# Altium PCB MEGAphone.PcbDoc (part 5 of 5) (continued)
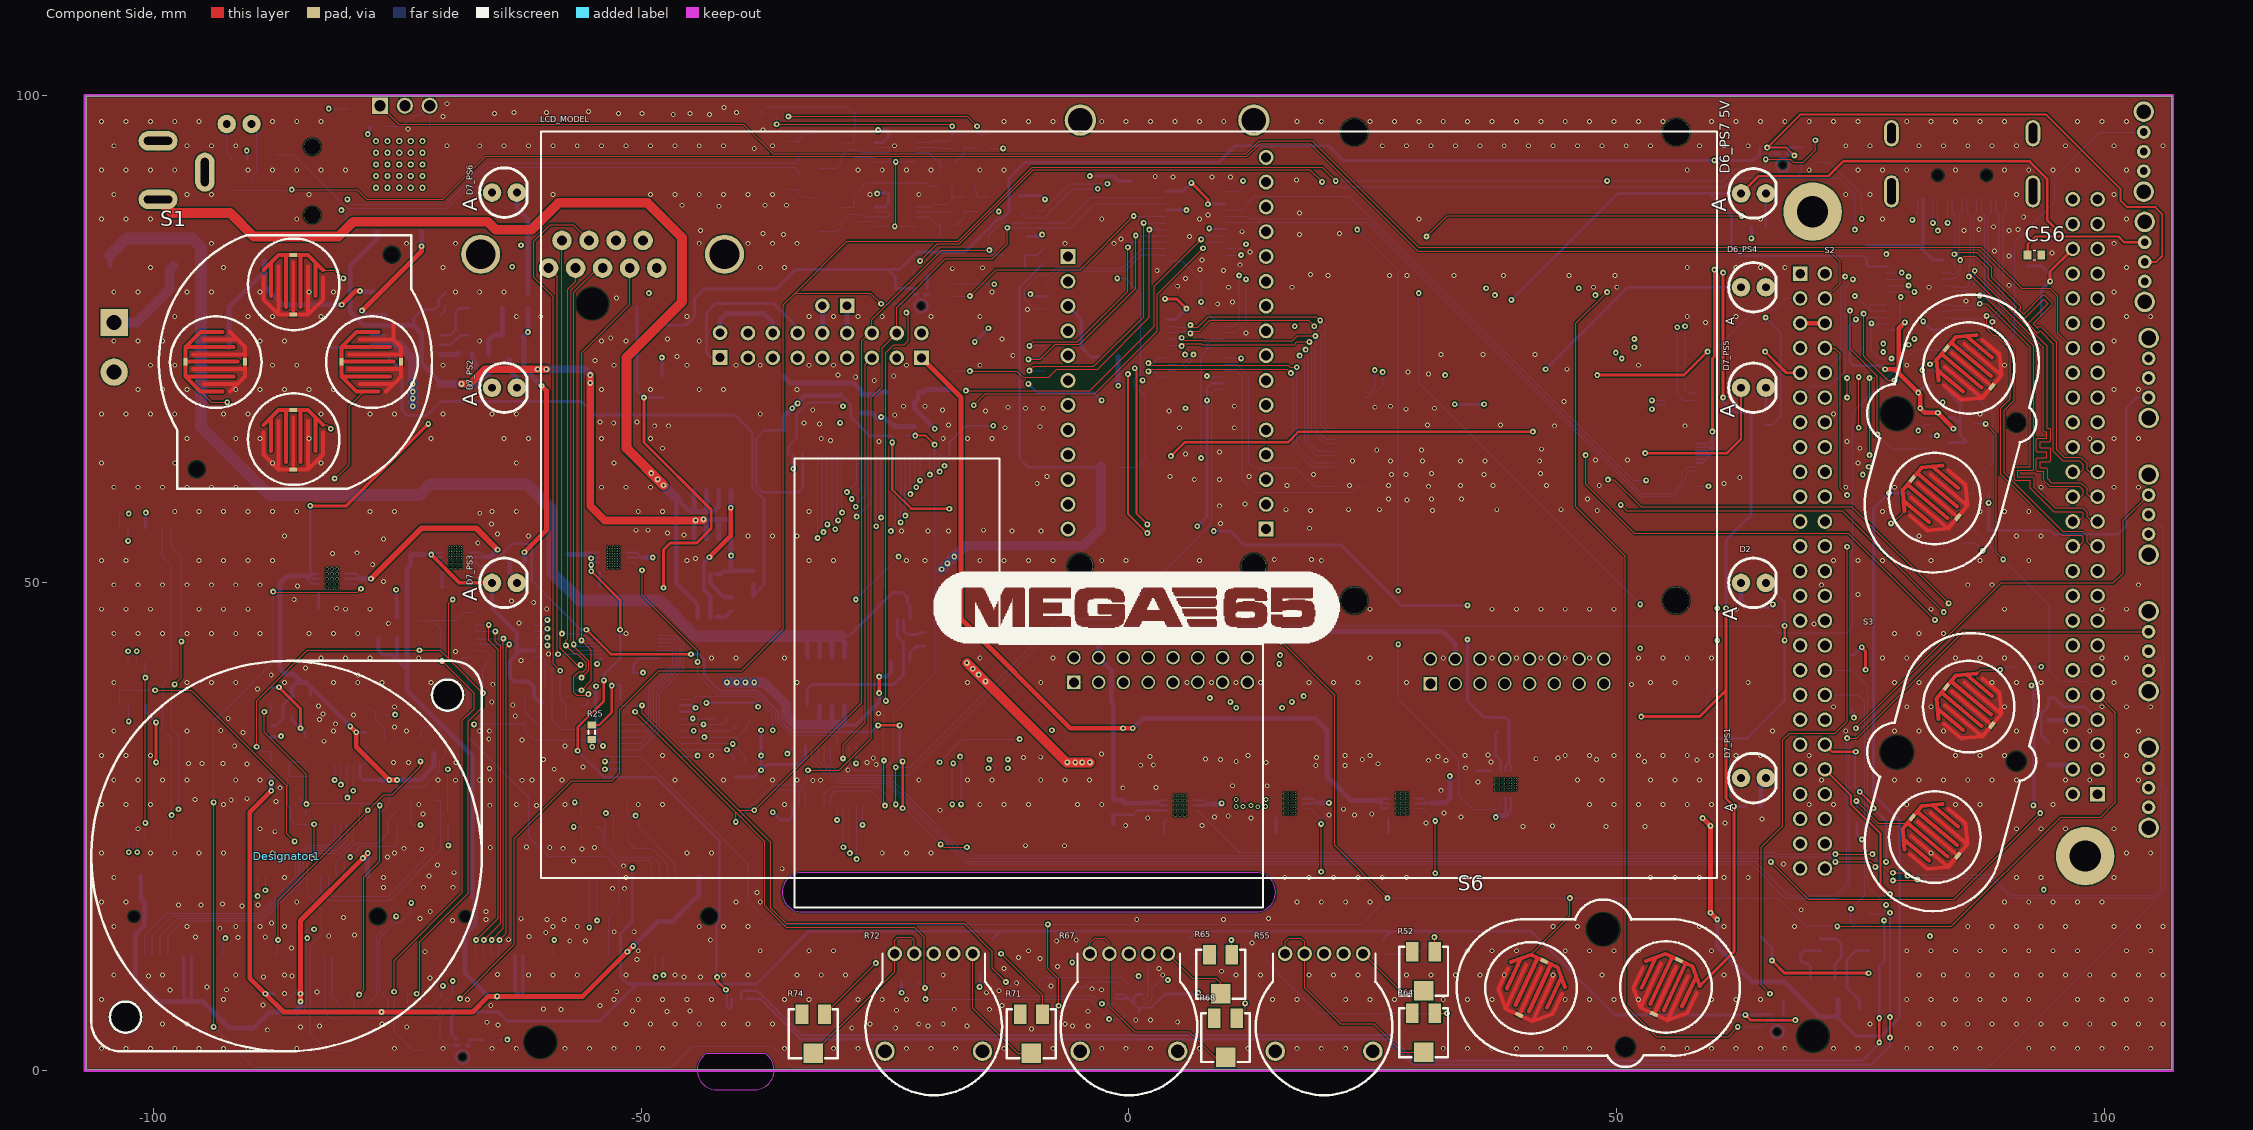
[diagram p0: Component Side view]
## Nets (pads, with @x,y where several pads share a name; then routed paths per layer and width w, separated by ;. In a path a pad name is that pad's centre, name@x,y a point inside that pad or via, vN(x,y) a via of type N, cw(c..) or ccw(c..) an arc to the next point about the centre after c; other vN are vias at no path point) (continued)
  Bottom Layer w0.25: R63.1@-8.8,82.7 -11.2,80.3 -11.2,62.718 -10.347,61.865 D11.1@-2.86,61.865 ; R44.1@88.1,59.21 R45.1@88.1,55.4 94.4,55.4 94.8,55 101.4,55 102.2,55.8 102.2,67.9 103.3,69 S4.3@104.5,69
  Bottom Layer w0.3: D8.1@72.687,5.4 74.531,3.556 77.1,3.556 79,5.456 79,25.6 76.3,28.3 76.3,57.6 v2(77.91,59.21) U20.14@79.975,59.21
  Bottom Layer w0.5: C44_PS3.1@-65.965,52.684 -65.416,52.684 v2(-64.7,53.4) ; C44_PS5.1@-49.8,52.6 v2(-48.8,52.6) ; C40_PS4.1@8.439,27.345 9.445,27.345 v2(9.5,27.4) ; C44_PS1.1@19.518,27.454 20.496,27.454 v2(20.5,27.459) ; C44_PS6.1@31.004,27.459 32.466,27.459 32.9,27.892 v2(32.9,30.2) ; v2(37.6,26) 37.776,26.176 38.703,26.176 ; v2(59.6,16.2) v2(60.3,15.5) 60.3,12.7 63.9,9.1 67.2,9.1 70.767,5.533 D8.1@72.687,5.533 ; D8.1@72.687,5.4 D8.1@72.687,5.533 ; D8.2@72.687,7.3 D8.1@72.687,5.533
  Bottom Layer w0.6: C44_PS2.1@-78.689,50.419 v2(-77.681,50.419)
  Bottom Layer w1: v2(-19.2,51.4) -16.8,53.8 -4.7,53.8 -2.86,55.64 D11.1@-2.86,61.865
  other v2: -5.5,31.6 -4.8,31.6 -16,41.2 -18.6,52
VCC_FPGA: C21.1 C24_FA.1 C24_FB.1 C28.1 C29.1 C30.1 C31.1 C46_PS1.1 C47_PS1.1 C48.1 C49.1 C52.2 C55.2 D7_PS1.A J1_M1.21 J1_M2.21 Q7.2 Q8.2 Q9.2 R8.1 R9.1 R10.1 R11.1 R12.1 R13.1 R14.1 R15.1 R25.2 R26.1 R27.1 R28.1 R29.1 R30.1 R31.1 R32.1 R33.1 R53.1 R54.1 R62.1 R78.2 R79.2 R80.1 R81.1 U9.5A U9.5B U9.6A U9.6B U9.45A U9.45B U9.46A U9.46B U10.2 U11_FA.10 U11_FB.10 U12.2 U12.3 U12.24 U13.3 U13.21 U13.24 U14.3 U14.24 U15.1 U15.20 U23_PS1.3 U23_PS1.4 U23_PS1.5 U24.1 U24.7 U24.8 U24.14 U27.24 U28.24 U31.1 | length 164.3
  Component Side w0.25: R25.2@-55.05,35.436 -54.285,35.436 -53,36.721 v2(-53,39.467)
  Component Side w0.3: v2(-99.7,31.6) v2(-99.7,35.7) ; v2(3.7,79.1) 4.905,79.1 v2(5.9,78.105) ; v2(6.4,91) 8.1,89.3 v2(8.1,88.8) ; v2(75.1,43.4) 75.5,43 v2(75.5,41.1) ; v2(94.4,80.9) 94.4,81.901 U9.46A@96.73,84.231
  Component Side w0.5: U9.5B@68.79,76.612 U9.6B@71.33,76.612 ; v2(77.5,71.9) 78.5,71.9 78.9,71.5 ; v2(79.53,76.7) 78.9,76.07 78.9,71.5 ; v2(84.5,65.8) 84.5,65.837 v2(82.9,67.437) 81.563,67.437 v2(81.1,67.9) 81.1,69.3 v2(80.9,69.5) 78.9,71.5
  Signal Layer 2 w0.3: v2(-63.2,82.4) -63.2,83.7 v2(-62.3,84.6)
  Signal Layer 2 w0.5: v2(-54.5,41.7) -54.222,41.7 -53.022,40.5 -53.022,39.489 v2(-53,39.467)
  Bottom Layer w0.25: v2(-54.5,41.7) -54.5,41.846 U15.1@-54.055,42.291 ; v2(-53,39.467) -52.97,39.497 C29.1@-52.135,39.497 -52.135,38.162 U12.24@-52.07,38.097 ; v2(-49.8,40.8) -49.833,40.767 C31.1@-50.735,40.767 -50.735,41.665 -50.109,42.291 U15.20@-48.255,42.291 ; U12.3@-45.97,36.797 -44.803,36.797 v2(-44.4,37.2) -44.647,37.447 U12.2@-45.97,37.447 ; v2(-43.3,37.7) -43.293,37.707 R26.1@-42.278,37.707 R27.1@-41.148,37.707 R28.1@-40.005,37.707 R29.1@-38.862,37.707 -38.207,37.707 -38,37.5 v2(-38,37.3)
  Bottom Layer w0.254: U24.7@-1.346,7.366 0,7.366 0.017,7.383 ; U24.8@-1.346,7.866 -0.466,7.866 0.017,7.383 ; U24.1@1,6.02 1,6.185 1.3,6.485 ; U24.14@1.346,7.866 0.866,7.866 0.5,7.5 0.5,6.9 ; C48.1@3.685,7.885 2.285,6.485 1.3,6.485 ; 0.017,7.383 0.5,6.9 ; 0.5,6.9 0.915,6.485 1.3,6.485
  Bottom Layer w0.3: J1_M2.21@-100.804,55.617 -100.804,57.14 v2(-100.744,57.2) ; J1_M1.21@-100.744,37.442 -100.744,36.744 v2(-99.7,35.7) ; v2(-90.4,94.3) -90.391,94.291 R15.1@-90.391,93.428 ; v2(-78,96) -77.844,96.155 -77.844,96.706 R62.1@-77.75,96.8 ; R31.1@-40.444,30.123 R30.1@-39.301,30.123 -38.377,30.123 v2(-37.7,30.8) ; v2(-37.7,34.9) v2(-37.7,32.3) v2(-37.7,30.8) ; v2(-36.5,26.5) -35.7,25.7 -34.8,25.7 -34.455,26.045 U14.24@-34.455,27.178 ; U14.3@-33.155,33.278 -33.155,32.045 -33.831,31.369 C30.1@-36.068,31.369 -37.131,31.369 v2(-37.7,30.8) ; U11_FA.10@-26.045,88.538 -25.007,88.538 -24.645,88.9 C24_FA.1@-24.645,89.951 -25.749,89.951 v2(-25.8,89.9) ; U11_FB.10@-26.045,95.142 -25.203,95.142 -24.645,95.7 C24_FB.1@-24.645,96.428 -25.672,96.428 v2(-25.7,96.4) ; v2(-23.3,8) R53.1@-23.3,9.1 ; v2(-15.3,8.6) -15.248,8.652 R54.1@-15.248,9.9 ; R80.1@-11.2,89.6 -11.1,89.7 R81.1@-9.5,89.7 -9,89.7 v2(-8.6,89.3) ; U31.1@-10.45,85.506 -9.094,85.506 v2(-8.9,85.7) ; v2(-10.1,79.6) -9.875,79.375 U10.2@-8.5,79.375 ; C48.1@3.685,7.885 C48.1@3.81,7.885 C49.1@6.096,7.885 6.985,7.885 v2(7.1,8) ; U13.21@3.8,88.2 v2(5.9,88.2) ; U13.24@3.8,90.15 5.55,90.15 v2(6.4,91) ; U28.24@3.93,76.975 4.775,76.975 5.9,78.1 v2(5.9,78.105) ; v2(8.1,88.8) 8.15,88.85 U13.3@9.9,88.85 ; C47_PS1.1@11.869,27.684 C47_PS1.1@11.893,27.708 ; R14.1@64.758,47.498 65.698,47.498 v2(66,47.8) ; R13.1@74.041,36.969 74.3,36.71 v2(74.3,36.2) ; R12.1@74.041,42.599 74.299,42.599 v2(75.1,43.4) ; v2(74.5,77) 73.9,76.4 73.9,72.6 74.25,72.25 R79.2@74.925,72.25 R78.2@76.125,72.25 77.15,72.25 v2(77.5,71.9) ; R33.1@74.6,25.45 74.6,24.2 v2(75.1,23.7) ; v2(80.9,69.5) 81.585,70.185 Q9.2@82.108,70.185 ; v2(81.1,67.9) 81.421,67.579 Q7.2@82.108,67.579 82.758,67.579 v2(82.9,67.437) ; v2(81.4,76.8) 82.275,75.925 U27.24@83.37,75.925 ; Q8.2@82.108,65.039 82.739,65.039 v2(82.8,65.1) ; C55.2@92.1,82.475 93.525,82.475 94.4,81.6 v2(94.4,80.9) C52.2@93.5,80 C28.1@93.5,78.775 C21.1@93.5,77.475 ; v2(92.5,39.5) 92.75,39.25 R9.1@92.75,38.224 R10.1@92.75,35.924 R8.1@92.75,33.624 R11.1@92.75,31.324 92.75,27.25 v2(92.7,27.2) ; R32.1@92.75,41.4 v2(93.5,41.4)
  other v1: 13.202,27.054 11,27.1 11.7,27.1 14,27.1 12.5,27.2 11,27.8 14.038,27.802
VCC_LORA: C42_PS4.1 C43_PS4.1 D6_PS4.A R47_PS4.1 RF1.4 RF2.4 U22_PS4.4 U22_PS4.5 | length 123.1
  Signal Layer 1 w0.3: v2(33.4,68.3) 33.44,68.26 RF2.4@33.44,42.2 ; v2(36.4,68.3) 39.1,68.3 v2(42.7,71.9)
  Bottom Layer w0.24: U22_PS4.4@3.835,27.2 3.154,27.2 2.889,27.465 3.124,27.7 U22_PS4.5@3.835,27.7
  Bottom Layer w0.3: v2(33.4,68.3) v2(36.4,68.3) ; v2(42.7,71.9) 51.1,80.3 D6_PS4.A@62.73,80.3
  Bottom Layer w0.5: 2.889,27.465 C42_PS4.1@1.795,27.465 1.752,27.422 C43_PS4.1@0.5,27.422 -0.4,27.422 -0.71,27.732 R47_PS4.1@-1.6,27.732 -1.6,37.7 -1.8,37.9 -1.8,41.04 RF1.4@-3.1,42.34 -3.1,44 -2.1,45 32.2,45 33.44,43.76 RF2.4@33.44,42.2
VCC_MIC: C14.1 C32.1 C33.1 C34.1 C35.1 CM1.77 CM1.79 CM1.81 CM1.83 CM1.85 CM1.87 R51.1 R56.1 R70.1 S8.2 U5.1 U5.8 U16.2 U16.5 U17.5 U18.2 U18.5 U19.5 | length 473.7
  Component Side w0.2: v2(68.2,93.8) 67.385,94.615 v2(65.4,94.615) 68.785,98 94,98 101.6,90.4 101.6,89.2 102.3,88.5 105.2,88.5 105.9,87.8 105.9,83.5 105.3,82.9 S8.2@104.1,82.9
  Component Side w0.254: v2(63.178,5.722) 63.7,5.2 v2(68.3,5.2)
  Component Side w0.3: v2(-49.7,69) -49.7,64.4 -42.8,57.5 -42.8,55.6 -44.3,54.1 -47,54.1 -47.7,53.4 v2(-47.7,49.5) ; v2(59.8,65.5) 59.8,73 60,73.2 v2(60,82.1)
  Signal Layer 1 w0.3: v2(-54.6,39.4) -54.6,40.4 -47.7,47.3 v2(-47.7,49.5) ; v2(-53.9,33.3) -54.7,32.5 -54.7,30.7 -53.8,29.8 -51.6,29.8 -49.3,27.5 -49.3,22.4 v2(-50.9,20.8) ; v2(60,82.1) v2(60,93.3)
  Bottom Layer w0.2: CM1.87@58.1,62.3 58.8,62.3 59.2,62.7 ; CM1.85@58.1,62.7 59.2,62.7 ; CM1.83@58.1,63.1 59.6,63.1 ; CM1.81@58.1,63.5 59.3,63.5 59.7,63.9 ; CM1.79@58.1,63.9 59.7,63.9 ; CM1.77@58.1,64.3 59.3,64.3 59.8,64.8 ; 59.8,63.3 59.6,63.1 ; 59.8,64 59.7,63.9 ; U18.2@67.821,94.019 67.981,94.019 v2(68.2,93.8) ; 59.2,62.7 59.6,63.1
  Bottom Layer w0.254: C32.1@64.191,5.778 U16.5@65.816,5.778 ; U16.2@67.251,5.182 68.282,5.182 v2(68.3,5.2)
  Bottom Layer w0.3: U17.5@-68.9,3.196 -69.417,3.713 C33.1@-69.417,4.826 -69.417,5.508 -68.9,6.025 -64.625,6.025 -63.7,5.1 -54.2,5.1 -50.4,8.9 ; v2(-54.6,39.4) -54.6,34 v2(-53.9,33.3) ; v2(-50.9,20.8) -50.9,15.3 -52.1,14.1 -52.1,9.6 -51.4,8.9 -50.4,8.9 ; U5.1@-50.399,78.304 -50.399,74.2 ; C14.1@-47.7,69 v2(-49.7,69) -50.399,69.699 U5.8@-50.399,71.204 -50.399,74.2 ; U19.5@-21.913,80.17 -23.891,80.17 C35.1@-23.917,80.144 -23.917,81.317 -24.7,82.1 ; R70.1@-13.97,13.5 -13.17,14.3 ; R56.1@6.2,13.5 7,14.3 ; R51.1@26.1,13.5 26.9,14.3 ; 59.8,63.3 59.8,64 59.8,64.8 v2(59.8,65.5) ; C32.1@64.191,5.778 C32.1@64.135,5.722 v2(63.178,5.722) 49.778,5.722 41.2,14.3 26.9,14.3 ; C34.1@64.65,94.6 64.65,93.95 64,93.3 v2(60,93.3) 22,93.3 20.5,94.8 10.9,94.8 9.2,93.1 -10.7,93.1 -12.3,91.5 -12.3,88 -13,87.3 -13.415,87.3 -16.815,83.9 -21.7,83.9 -23.5,82.1 -24.7,82.1 ; v2(65.4,94.615) U18.5@66.386,94.615 ; -50.4,8.9 -38.172,8.9 -32.772,14.3 -13.17,14.3 ; -50.399,74.2 -48.199,76.4 -45.4,76.4 -44.5,77.3 -44.5,79.2 -43.6,80.1 -36.2,80.1 -34.2,82.1 -24.7,82.1 ; -13.17,14.3 7,14.3 ; 7,14.3 26.9,14.3
VCC_MODEM_M1: C1_M1.1 C4_M1.1 C9_M1.1 C11_M1.1 C46_PS2.1 C47_PS2.1 D7_PS2.A Q1_M1.2 U1_M1.2 U1_M1.39 U1_M1.41 U1_M1.52 U2_M1.15 U3_M1.1 U3_M1.3 U4_M1.15 U23_PS2.3 U23_PS2.4 U23_PS2.5 W2_M1.1 | length 156.5
  Component Side w0.3: v3(-83.9,57.9) -80.2,57.9 v3(-71.8,66.3)
  Component Side w0.5: v2(-84.9,7.1) v2(-84.9,7.9) -84.9,15.4 v2(-78.5,21.8) v2(-78,22.3) ; v2(-79.8,35.3) v2(-79.186,34.686) -79.186,33.186 v2(-75.8,29.8) v2(-75,29.8)
  Signal Layer 1 w0.3: v3(-71.8,66.3) -68.97,66.3 D7_PS2.A@-65.27,70
  Signal Layer 1 w0.5: v2(-78.5,21.8) v2(-78,22.3) -75.8,24.5 v2(-75.8,29.8) v2(-75,29.8)
  Bottom Layer w0.24: -84.447,50.735 -84.447,50.647 -83.719,49.919 U23_PS2.3@-83.061,49.919 ; -83.951,50.735 -83.9,50.735 -83.774,50.735 -83.591,50.919 U23_PS2.5@-83.061,50.919 ; -83.9,50.684 -83.635,50.419 U23_PS2.4@-83.061,50.419
  Bottom Layer w0.3: U1_M1.41@-96.874,11.778 -96.874,7.574 C1_M1.1@-96.4,7.1 -96.074,7.426 U1_M1.39@-96.074,11.778 ; W2_M1.1@-87.874,35.38 -87.42,35.38 -86.7,36.1 -86.7,37.497 U3_M1.1@-85.784,38.413 ; C46_PS2.1@-84.967,50.711 C46_PS2.1@-84.943,50.735 ; -83.9,50.684 -83.9,50.735 v3(-83.9,57.9) ; U3_M1.3@-83.884,38.413 -83.884,39.344 -83.844,39.344 ; v2(-79.186,34.686) Q1_M1.2@-78.166,34.686 ; U4_M1.15@-78.807,31.369 -78.807,30.107 -78.48,29.78 C11_M1.1@-76.835,29.78 C11_M1.1@-76.815,29.8 ; v2@-78.024,22.276 v2(-78,22.3) ; -72.675,29.8 -72.655,29.78 ; C4_M1.1@-71.3,32.6 C4_M1.1@-71.235,32.535
  Bottom Layer w0.5: U1_M1.52@-101.274,19.978 -101.274,17.674 -100.9,17.3 -100.9,14.9 -101.8,14 -101.8,9.4 -99.5,7.1 C1_M1.1@-96.4,7.1 -94.925,7.1 -92.225,4.4 -89.7,4.4 -88.075,6.025 U2_M1.15@-86.85,6.025 -85.518,6.025 -84.9,6.643 v2(-84.9,7.1) v2@-84.9,7.7 ; U3_M1.1@-85.784,38.413 -85.784,39.316 -85.3,39.8 -84.747,39.8 ; C46_PS2.1@-84.967,50.711 C47_PS2.1@-86.275,50.711 -87,49.986 -87,41.2 -86.451,40.651 C9_M1.1@-85.598,40.651 -84.747,39.8 ; C46_PS2.1@-84.943,50.735 -84.447,50.735 -83.951,50.735 ; -83.884,39.344 -84.34,39.8 -84.747,39.8 ; -83.844,39.344 v2(-79.186,34.686) ; U1_M1.2@-78.024,19.978 v2@-78.024,22.276 ; C11_M1.1@-76.815,29.8 v2(-75.8,29.8) -72.675,29.8 ; -72.655,29.78 -71.235,31.2 C4_M1.1@-71.235,32.535
VCC_MODEM_M2: C1_M2.1 C4_M2.1 C9_M2.1 C11_M2.1 C46_PS3.1 C47_PS3.1 D7_PS3.A Q1_M2.2 U1_M2.2 U1_M2.39 U1_M2.41 U1_M2.52 U2_M2.15 U3_M2.1 U3_M2.3 U4_M2.15 U23_PS3.3 U23_PS3.4 U23_PS3.5 W2_M2.1 | length 179.5
  Component Side w0.381: v2(-71.5,52.9) -68.6,50 D7_PS3.A@-65.27,50
  Component Side w0.5: v2(-87.9,28.7) -90.1,26.5 -90.1,9.5 v2(-88.5,7.9) -86.625,6.025 v2(-76.6,6.025) -67.241,6.025 -65.646,7.62 v2(-64.746,7.62) -55.98,7.62 v2(-50.8,12.8)
  Bottom Layer w0.24: U23_PS3.3@-70.4,52.122 -70.722,52.122 v2(-71.5,52.9) ; U23_PS3.4@-70.4,52.622 -71.222,52.622 v2(-71.5,52.9) ; U23_PS3.5@-70.4,53.122 -71.278,53.122 v2(-71.5,52.9)
  Bottom Layer w0.381: v2(-88.5,7.9) C4_M2.1@-87.7,7.9 ; U2_M2.15@-78.15,6.025 v2(-76.6,6.025) ; U3_M2.3@-76.906,44.319 -76.906,43.091 -76.48,42.665 C9_M2.1@-75.963,42.665 -75.565,42.665 -75.006,42.106 ; U3_M2.1@-75.006,44.319 -75.006,42.106 ; -74,41.1 -75.006,42.106 ; C47_PS3.1@-73.614,52.914 C47_PS3.1@-73.595,52.895 ; C46_PS3.1@-72.306,52.914 C46_PS3.1@-72.282,52.938 v2@-71.5,52.938 ; D7_PS3.A@-65.27,50 -65.27,47.432 -62.7,44.862 -62.7,42.7 ; U1_M2.41@-62.926,11.778 -62.926,8.254 C1_M2.1@-62.292,7.62 -62.126,7.786 U1_M2.39@-62.126,11.778 ; U4_M2.15@-60.958,43.079 -62.321,43.079 -62.7,42.7 ; Q1_M2.2@-60.008,37.704 -60.304,37.704 -60.958,38.358 -60.958,39.358 -61.5,39.9 -63,39.9 -63.438,40.338 C11_M2.1@-63.438,41.021 -63.438,41.962 -62.7,42.7
  Bottom Layer w0.5: v2(-87.9,28.7) v2(-87.9,29.5) -87.9,30.104 W2_M2.1@-87.874,30.13 ; C47_PS3.1@-73.614,52.914 C46_PS3.1@-72.306,52.914 ; C47_PS3.1@-73.595,52.895 -73.595,51.881 -74,51.476 -74,41.1 -74,39 -67.326,32.326 U1_M2.52@-67.326,19.978 -67.326,17.9 -67,17.574 -67,15 -68.026,13.974 -68.026,10 -65.646,7.62 v2(-64.746,7.62) C1_M2.1@-62.292,7.62 ; v2(-51.4,12.2) -48.3,15.3 -46.8,15.3 -44.076,18.024 U1_M2.2@-44.076,19.978
VCC_Screen: C38.1 C46_PS5.1 C47_PS5.1 D7_PS5.A L1.1 P3.4 P3.5 R76.1 U21.5 U23_PS5.3 U23_PS5.4 U23_PS5.5 U26.4 | length 231.4
  Component Side w0.25: v3(-56.5,32.8) -56.5,35.2 -53.8,37.9 v3(-53.8,40) ; v2(-55.1,51.2) -52.142,48.242 v3(-52.142,45.2) ; v2(-42.2,9.6) -42.2,9.2 v2(-41.3,8.3) ; v2(-24.25,64.4) -24.25,59.55 -22.3,57.6 v2(-18.4,57.6) ; v2(4.3,63) 5.7,64.4 16.3,64.4 17.4,65.5 v2(41.4,65.5) ; v2(52.9,63.3) 61.3,63.3 62.73,64.73 D7_PS5.A@62.73,70
  Signal Layer 1 w0.25: v2(-18.4,57.6) -16.6,59.4 0.7,59.4 v2(4.3,63) ; v2(41.4,65.5) 47.2,65.5 49.4,63.3 v2(52.9,63.3)
  Signal Layer 1 w0.5: v2(-55.1,51.2) v2(-55.1,51.85) -55.1,52.5 v2(-55.119,52.519) -55.119,52.582 -53.101,54.6 -49.1,54.6 -36.6,67.1 -35.3,67.1 v2@-33.98,68.42
  Bottom Layer w0.2: C46_PS5.1@-56.114,52.916 -55.93,53.1 U23_PS5.5@-54.232,53.1 ; v2(-55.119,52.519) -55.038,52.6 U23_PS5.4@-54.232,52.6 ; v2(-55.1,51.85) -54.85,52.1 U23_PS5.3@-54.232,52.1
  Bottom Layer w0.25: v3(-56.5,32.8) -53.8,30.1 -48.5,30.1 -41.974,23.574 -41.974,15.381 -42.278,15.077 -42.278,9.678 v2(-42.2,9.6) ; v3(-53.8,40) -53.8,40.6 -52.142,42.258 v3(-52.142,45.2) ; v2(-41.3,8.3) -41.211,8.211 P3.5@-41.211,7.366 -41.211,6.611 -41,6.4 -40.876,6.4 -40.711,6.565 P3.4@-40.711,7.366 ; L1.1@-35.4,65.658 -37.342,65.658 -38.198,64.802 -38.198,59.967 -37.531,59.3 -33.907,59.3 -33.407,59.8 U26.4@-33.407,63.118 ; U21.5@-29.575,69.297 -28.5,68.222 -28.5,67 -26.6,65.1 R76.1@-24.25,65.1 v2(-24.25,64.4)
  Bottom Layer w0.5: C47_PS5.1@-57.446,52.892 -55.492,52.892 v2(-55.119,52.519) -55.1,52.5 v2(-55.1,51.85) v2(-55.1,51.2) ; L1.1@-35.4,65.658 -35.4,67 -33.227,69.173 C38.1@-31.353,69.173 -29.699,69.173 U21.5@-29.575,69.297
  other v2: -34.5,67.9 -33.96,68.4
VCC_WIFI_BT: C46_PS6.1 C47_PS6.1 D7_PS6.A ESP1.1 U23_PS6.3 U23_PS6.4 U23_PS6.5 | length 147.5
  Component Side w0.5: ESP1.1@-21.26,73.06 -17.2,69 -17.2,46.3 -6,35.1 v2(0.4,35.1)
  Signal Layer 1 w0.5: D7_PS6.A@-65.27,90 -63.07,87.8 -23.1,87.8 -19.2,83.9 -19.2,74.6 -20.74,73.06 ESP1.1@-21.26,73.06
  Bottom Layer w0.24: U23_PS6.3@26.569,26.897 26.003,26.897 25.8,27.1 25.8,27.708 ; U23_PS6.4@26.569,27.397 26.112,27.397 25.8,27.708 ; U23_PS6.5@26.569,27.897 25.988,27.897 25.8,27.708
  Bottom Layer w0.25: C46_PS6.1@24.688,27.713 C46_PS6.1@24.692,27.708
  Bottom Layer w0.5: v2(-0.6,35.1) v2(0.4,35.1) 1.4,36.1 19.1,36.1 20.3,34.9 20.3,30.2 22.812,27.688 C47_PS6.1@23.355,27.688 24.663,27.688 C46_PS6.1@24.688,27.713 ; C46_PS6.1@24.692,27.708 25.8,27.708
Vi: C18.1 C19.1 C57.2 D12.2 M3.3 Q4.5 Q4.6 Q4.7 Q4.8 R57.2 R58.2 U7.9 U32.8 | length 147.8
  Component Side w0.8: v3(-68.4,70.4) v3(-67.5,70.4) -66,71.9 v3(-59.7,71.9) ; v3(-55.2,71.3) -55.2,57.877 -53.723,56.4 v3@-43.6,56.4
  Signal Layer 1 w0.5: v2(-40.767,52.8) -40.067,53.5 -24,53.5 -15.6,61.9 -4.98,61.9 -1.1,65.78 v2(-1.1,70.2)
  Bottom Layer w0.25: -73.3,76.4 -73.3,77.1 -72.4,78 -71.2,78 -70.8,78.4 -70.8,79 C57.2@-70,79.8
  Bottom Layer w0.45: U32.8@-42.246,50.882 -41.865,50.882 -41.563,51.184 C19.1@-40.767,51.184
  Bottom Layer w0.5: M3.3@-77.072,86 -77.072,85.228 -79.8,82.5 -79.8,77.8 -78.4,76.4 U7.9@-76.182,76.4 -73.3,76.4 -72.5,75.6 -72.5,72.5 -70.735,70.735 C18.1@-70.735,70.3 C18.1@-70.635,70.4 ; R58.2@-65.627,71.673 R58.2@-65.627,72.011 ; Q4.8@-44.577,54.483 -44.577,56.223 v3(-44.4,56.4) -44.3,56.5 v3@-43.4,56.5 ; Q4.7@-43.307,54.483 -43.307,56.407 v3@-43.4,56.5 ; Q4.6@-42.037,54.483 -42,54.52 -42,56.5 ; R57.2@-38.5,51.247 -40.704,51.247 C19.1@-40.767,51.184 v2(-40.767,52.8) Q4.5@-40.767,54.483 -40.767,56.267 -41,56.5 -42,56.5 ; v2(-1.1,70.2) -1.1,73.155 D12.2@-1.06,73.195 ; v3@-43.4,56.5 -42,56.5
  Bottom Layer w0.8: C18.1@-70.635,70.4 v3(-68.4,70.4) -66.9,70.4 -66.747,70.553 -66.747,70.612 -65.882,71.477 -65.823,71.477 R58.2@-65.627,71.673 ; v3(-60.6,71.9) -55.8,71.9 v3(-55.2,71.3) v3(-55.2,70.5)
  other v3: -43.6,56.5
pads on no net: "U22_PS7 5V.14" CM1.0 CM1.3 CM1.4 CM1.5 CM1.6 CM1.9 CM1.10 CM1.11 CM1.12 CM1.15 CM1.16 CM1.17 CM1.18 CM1.19 CM1.20 CM1.21 CM1.24 CM1.25 CM1.26 CM1.27 CM1.28 CM1.29 CM1.30 CM1.31 CM1.34 CM1.35 CM1.36 CM1.37 CM1.38 CM1.39 CM1.40 CM1.41 CM1.44 CM1.45 CM1.46 CM1.47 CM1.48 CM1.49 CM1.50 CM1.54 CM1.57 CM1.61 CM1.62 CM1.63 CM1.64 CM1.67 CM1.68 CM1.69 CM1.70 CM1.72 CM1.73 CM1.75 CM1.76 CM1.78 CM1.80 CM1.82 CM1.84 CM1.86 CM1.88 CM1.90 CM1.92 CM1.93 CM1.94 CM1.95 CM1.96 CM1.97 CM1.100 CM1.101 CM1.102 CM1.103 CM1.104 CM1.105 CM1.106 CM1.109 CM1.110 CM1.111 CM1.112 CM1.115 CM1.116 CM1.117 CM1.118 CM1.121 CM1.122 CM1.123 CM1.124 CM1.127 CM1.128 CM1.129 CM1.130 CM1.133 CM1.134 CM1.135 CM1.136 CM1.139 CM1.140 CM1.141 CM1.142 CM1.143 CM1.145 CM1.146 CM1.147 CM1.148 CM1.149 CM1.152 CM1.154 CM1.157 CM1.158 CM1.159 CM1.160 CM1.163 CM1.164 CM1.165 CM1.166 CM1.169 CM1.171 CM1.175 CM1.177 CM1.181 CM1.183 CM1.187 CM1.189 CM1.193 CM1.194 CM1.195 CM1.196 D9.K D10.K D11.K D12.K Designator1.1 J1_M1.2 J1_M1.6 J1_M1.12 J1_M1.22 J1_M2.2 J1_M2.6 J1_M2.12 J1_M2.22 J2.0 J2.5 J3. J3.5 J3.9 J4.14 J4.H5 J4.H6 P1.2 P3.0 P3.3 R52.CCW R55.0 R55.2B R64.CCW R65.CCW R67.0 R67.2B R68.CCW R71.CCW R72.0 R72.2B R74.CCW RF1.3 RF1.5 RF1.6 RF1.8 RF1.10 RF1.11 RF1.12 RF1.13 RF1.14 RF1.15 RF2.3 RF2.5 RF2.6 RF2.8 RF2.10 RF2.11 RF2.12 RF2.13 RF2.14 RF2.15 S1.0 S2. S2.27 S3. S3.27 S4.15 S5.15 S6. S6.27 S7.15 S8.3 S8.15 S9.15 S10.15 U1_M1. U1_M1.1 U1_M1.3 U1_M1.5 U1_M1.6 U1_M1.7 U1_M1.16 U1_M1.19 U1_M1.21 U1_M1.24 U1_M1.25 U1_M1.28 U1_M1.30 U1_M1.32 U1_M1.33 U1_M1.36 U1_M1.38 U1_M1.42 U1_M1.44 U1_M1.46 U1_M1.48 U1_M1.S1 U1_M1.S2 U1_M1.S3 U1_M1.S4 U1_M2. U1_M2.1 U1_M2.3 U1_M2.5 U1_M2.6 U1_M2.7 U1_M2.16 U1_M2.19 U1_M2.21 U1_M2.24 U1_M2.25 U1_M2.28 U1_M2.30 U1_M2.32 U1_M2.33 U1_M2.36 U1_M2.38 U1_M2.42 U1_M2.44 U1_M2.46 U1_M2.48 U1_M2.S1 U1_M2.S2 U1_M2.S3 U1_M2.S4 U2_M1.4 U2_M1.5 U2_M1.6 U2_M1.7 U2_M1.10 U2_M1.11 U2_M1.12 U2_M1.13 U2_M2.4 U2_M2.5 U2_M2.6 U2_M2.7 U2_M2.10 U2_M2.11 U2_M2.12 U2_M2.13 U3_M1.4 U3_M2.4 U4_M1.7 U4_M1.10 U4_M2.7 U4_M2.10 U5.7 U8.3 U8.5 U9.0 U9.14A U9.16A U9.17A U9.18A U9.19A U9.20A U9.37A U9.48B U10.4 U10.5 U10.10 U10.11 U10.12 U10.13 U10.14 U14.20 U15.7 U15.8 U15.9 U15.11 U15.12 U15.13 U16.0 U17.0 U18.0 U19.0 U20.2 U20.6 U20.8 U20.9 U20.10 U20.11 U20.12 U20.13 U22_PS4.14 U23_PS1.14 U23_PS2.14 U23_PS3.14 U23_PS5.14 U23_PS6.14 U25.7 U26.S1 U26.S2 U28.13 U29. U29.P1_15 U29.P1_16 U29.P2_2 U29.P2_10 U29.P2_11 U29.P2_12 U29.P$1 U29.P$2 U32.3 U32.5
copper on no net:
  other v3: 93.762,18.564

## Polygon pours and split planes (outlines as drawn)
GND on Signal Layer 2 "GND_L03_P036" (solid, remove dead copper, pour order 36): -107,99.998 107,99.998 107,0.006 -106.997,0.006 -107,0.003
GND on Component Side "GND_L01_P034" (solid, remove dead copper, pour order 34): -107,99.995 107,99.995 107,0.003 -106.997,0.003 -107,0
GND on Bottom Layer "GND_L04_P040" (solid, remove dead copper, pour order 40): -107,99.995 107,99.995 107,0.003 -106.997,0.003 -107,0
NetL3_PS3_2 on Bottom Layer "NETL3_PS3_2_L04_P006" (solid, pour order 6): -70.735,53.4 -70.735,59.2 -69.135,59.2 -69.135,55.7 -69.935,54.9 -69.935,53.4
NetL3_PS3_1 on Bottom Layer "NETL3_PS3_1_L04_P018" (solid, pour order 18): -68.7,59.2 -67.3,59.2 -67.3,53.4 -68.1,53.4 -68.1,54.9 -68.7,55.5
"NetL2_PS7 5V_1" on Bottom Layer "NETL2_PS7_5V_1_L04_P028" (solid, pour order 28): 45.2,29 45.2,27.6 39.4,27.6 39.4,28.4 40.9,28.4 41.5,29
NetL3_PS6_1 on Bottom Layer "NETL3_PS6_1_L04_P026" (solid, pour order 26): 28.3,34 29.7,34 29.7,28.2 28.9,28.2 28.9,29.7 28.3,30.3
NetL3_PS1_1 on Bottom Layer "NETL3_PS1_1_L04_P024" (solid, pour order 24): 16.9,34.1 18.3,34.1 18.3,28.3 17.5,28.3 17.5,29.8 16.9,30.4
NetL2_PS4_1 on Bottom Layer "NETL2_PS4_1_L04_P022" (solid, pour order 22): 5.3,33.8 7,33.8 7,28 6.2,28 6.2,29.5 5.3,30.4
NetL3_PS5_1 on Bottom Layer "NETL3_PS5_1_L04_P020" (solid, pour order 20): -52.5,59.2 -51.1,59.2 -51.1,53.4 -51.9,53.4 -51.9,54.9 -52.5,55.5
"NetL2_PS7 5V_2" on Bottom Layer "NETL2_PS7_5V_2_L04_P016" (solid, pour order 16): 39.4,31.1 45.2,31.1 45.2,29.5 41.7,29.5 40.9,30.3 39.4,30.3
NetL3_PS6_2 on Bottom Layer "NETL3_PS6_2_L04_P014" (solid, pour order 14): 26.1,28.216 26.1,34.016 27.7,34.016 27.7,30.516 26.9,29.716 26.9,28.216
NetL3_PS1_2 on Bottom Layer "NETL3_PS1_2_L04_P012" (solid, pour order 12): 14.691,28.2 14.691,34 16.291,34 16.291,30.5 15.491,29.7 15.491,28.2
NetL2_PS4_2 on Bottom Layer "NETL2_PS4_2_L04_P010" (solid, pour order 10): 3.4,28 3.4,33.8 5,33.8 5,30.3 4.2,29.5 4.2,28
NetL3_PS5_2 on Bottom Layer "NETL3_PS5_2_L04_P008" (solid, pour order 8): -54.6,53.4 -54.6,59.2 -53,59.2 -53,55.7 -53.8,54.9 -53.8,53.4
NetL3_PS2_2 on Bottom Layer "NETL3_PS2_2_L04_P004" (solid, pour order 4): -83.5,51.2 -83.5,57 -81.9,57 -81.9,53.5 -82.7,52.7 -82.7,51.2
NetL3_PS2_1 on Bottom Layer "NETL3_PS2_1_L04_P000" (solid, pour order 0): -81.3,57 -79.9,57 -79.9,51.2 -80.7,51.2 -80.7,52.7 -81.3,53.3
VCC_FPGA on Bottom Layer "VCC_FPGA_L04_P030" (solid, remove dead copper, pour order 30): 14.336,28.1 14.436,28 15.248,28 15.3,27.948 15.3,27.8 14.468,27.8 14.4,27.732 14.4,27.6 14.5,27.5 15.322,27.5 15.4,27.422 15.4,27.345 15.345,27.345 15.3,27.3 14.5,27.3 14.4,27.2 14.4,27.1 14.5,27 15.3,27 15.3,26.9 15.3,26.8 10.8,26.8 10.7,26.9 10.7,27.902 10.902,28.1
VCC_FPGA on Signal Layer 1 "VCC_FPGA_L02_P032" (solid, remove dead copper, pour order 32): -107,0 -107,100 107,100 107,0.003 -106.997,0.003

## Keep-outs
Keep-Out Layer:
  lines w0.254: -107,0 -107,2.3 -107,99.995 107,99.995 ; -107,0.003 107,0.003 107,100

## Silkscreen, mask and mechanical layers (free items; w line width, h text height)
Top Overlay:
  drawing of 3 lines, arcs and shapes, not listed
Bottom Overlay:
  drawing of 13 lines, arcs and shapes, not listed
  text "Paul  / Gardner-Stephen" at 105.3,11.1 h1.02
  text "Lucas" at 105.2,9.7 h1.02
  text "Flinders University of / South Australia" at 105.3,5.6 h1.02
Mechanical 1:
  lines w0.2: -33.528,16.288 cw(c-33.528,18.288) -33.528,20.288 13.028,20.288 cw(c13.028,18.288) 13.028,16.288 -33.528,16.288
  lines w0.254: -107,0 -64.8,0 41.971,0 107,0 107,100 65.5,100 -77.934,100 -106.995,100 -107,99.995 -107,99.72 -107,0
Dimensions:
  lines w0.2: 0,0 0,10 ; 104.6,50 110.6,50

## Dimensions
-107,-11.1 to 107,0 on Dimensions
107,0 to 107,109.2 on Dimensions
104.5,38.9 to 104.5,33.1 on Dimensions
104.5,24.9 to 104.5,61.1 on Dimensions
104.5,66.9 to 104.5,47.1 on Dimensions
107,100 to 104.5,52.9 on Dimensions
104,90.1 to -77.934,100 on Dimensions
-106.995,100 to 104,94.2 on Dimensions

## Text inside footprints (layer, text, board x,y; h text height)
BT1: Bottom Overlay "1" at -106.54,76.68 h1.27 r90
CM1: Bottom Overlay "PWR" at 30.998,50.439 h1 r270; Bottom Overlay "RAM" at 36.054,91.154 h1 r270; Bottom Overlay "CPU" at 35.354,75.354 h1 r270; Mechanical 4 "ETH" at 56.1,76.951 h0.7 r270; Mechanical 4 "PCIe" at 21.6,75.251 h0.7 r270; Mechanical 4 "5V" at 56.6,62.3 h0.7 r270; Mechanical 4 "SD" at 56,65.209 h0.7 r270; Mechanical 4 "TV" at 22.6,74.951 h0.7 r270; Mechanical 4 "GPIO" at 56.1,71.575 h0.7 r270; Mechanical 4 "1V8" at 55.4,60.975 h0.7 r270; Mechanical 4 "HDMI1" at 21.5,66.242 h0.7 r270; Mechanical 4 "Wireless / Cutout" at 38.668,49.1 h0.9 r180; Mechanical 4 "USB" at 22.7,76.334 h0.7 r270; Mechanical 4 "CAM0" at 21.6,71.417 h0.7 r270; Mechanical 4 "3V3" at 55.4,63.575 h0.7 r270; Mechanical 4 "CAM1" at 22.7,71.451 h0.7 r270; Mechanical 4 "DSI0" at 22.7,65.251 h0.7 r270; Mechanical 4 "DS1" at 22.1,59.151 h0.7 r270; Mechanical 4 "HDMI0" at 21.6,61.826 h0.7 r270
D2: Top Overlay "A" at 62.357,46.101 h1.5 r90
D3: Bottom Overlay "A" at -93.599,94.615 h1.5
D6_PS4: Top Overlay "A" at 62.357,76.401 h1.5 r90
"D6_PS7 5V": Top Overlay "A" at 61.214,88.011 h1.5 r90
D7_PS1: Top Overlay "A" at 62.23,26.543 h1.5 r90
D7_PS2: Top Overlay "A" at -66.794,68.095 h1.5 r90
D7_PS3: Top Overlay "A" at -66.794,48.095 h1.5 r90
D7_PS5: Top Overlay "A" at 62.103,66.929 h1.5 r90
D7_PS6: Top Overlay "A" at -66.794,88.095 h1.5 r90
ESP1: Bottom Overlay "16" at -40.564,75.092 h1.27; Bottom Overlay "15" at -40.564,72.552 h1.27; Bottom Overlay "1" at -18.72,72.552 h1.27; Bottom Overlay "2" at -18.72,75.092 h1.27
U9: Mechanical 13 "49" at 69.06,21.852 h1 r90; Mechanical 13 "50" at 72.06,21.852 h1 r90; Mechanical 13 "1" at 69.06,82.072 h1 r90; Mechanical 13 "2" at 72.06,82.072 h1 r90; Mechanical 13 "49" at 99,88.191 h1 r270; Mechanical 13 "50" at 96,88.191 h1 r270; Mechanical 13 "1" at 99,27.971 h1 r270; Mechanical 13 "2" at 96,27.971 h1 r270; Mechanical 11 "Module pin 1 (Bottom side)" at 69.405,81.822 h0.7 r90; Mechanical 11 "Module pin 1 (Bottom side)" at 98.655,28.221 h0.7 r270; Mechanical 11 "Module pin 1 (Top side)" at 92.68,25.121 h0.7; Mechanical 11 "Baseboard pin 1 (Top side)" at 68.28,81.821 h0.7 r90; Mechanical 11 "J2" at 98.905,55.021 h1; Mechanical 11 "J1" at 70.755,55.021 h1; Mechanical 11 "Baseboard pin 1 (Top side)" at 99.755,28.221 h0.7 r270; Mechanical 11 "For TE0725LP (Top side)" at 90.48,84.246 h0.7
U24: Mechanical 13 "*" at 0.996,5.88 h1.27 r270; Bottom Overlay "*" at 0.635,4.699 h1.27 r270